# Altium PCB PCB1.PcbDoc
Units mil, origin at the board's own origin, x right, y up, seen from the top; angles counter-clockwise.
Board outline 3926.86 x 1808.97 mil, 2 copper layers (Top Layer, Bottom Layer); 89 components, 77 nets, 296 pads, 305 vias.
Unrouted connection lines stored in the file: 43.
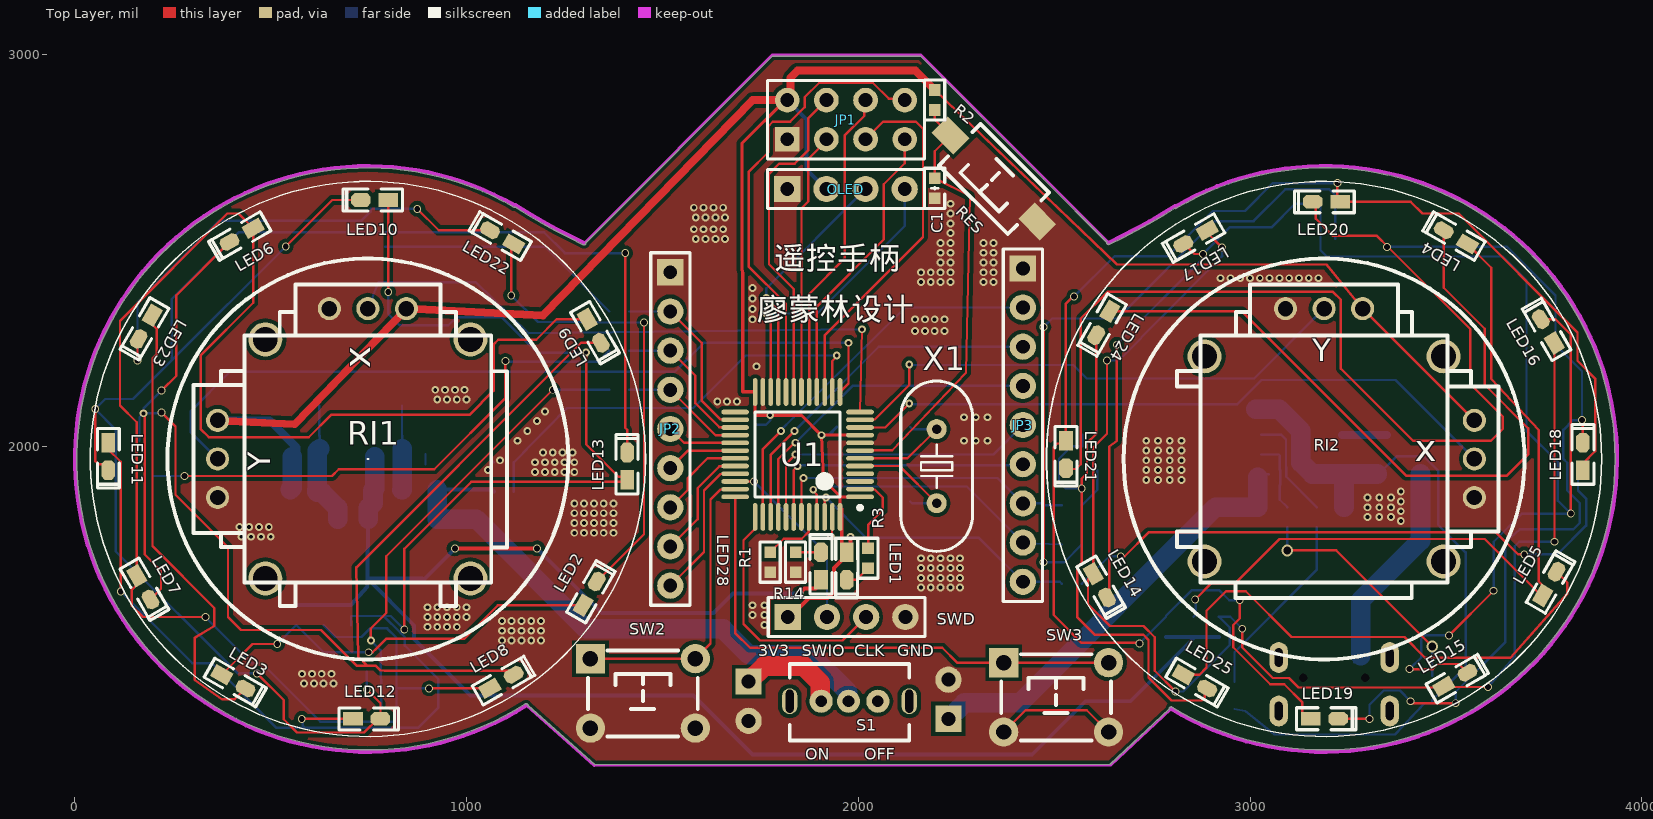
[diagram p0: Top Layer view]
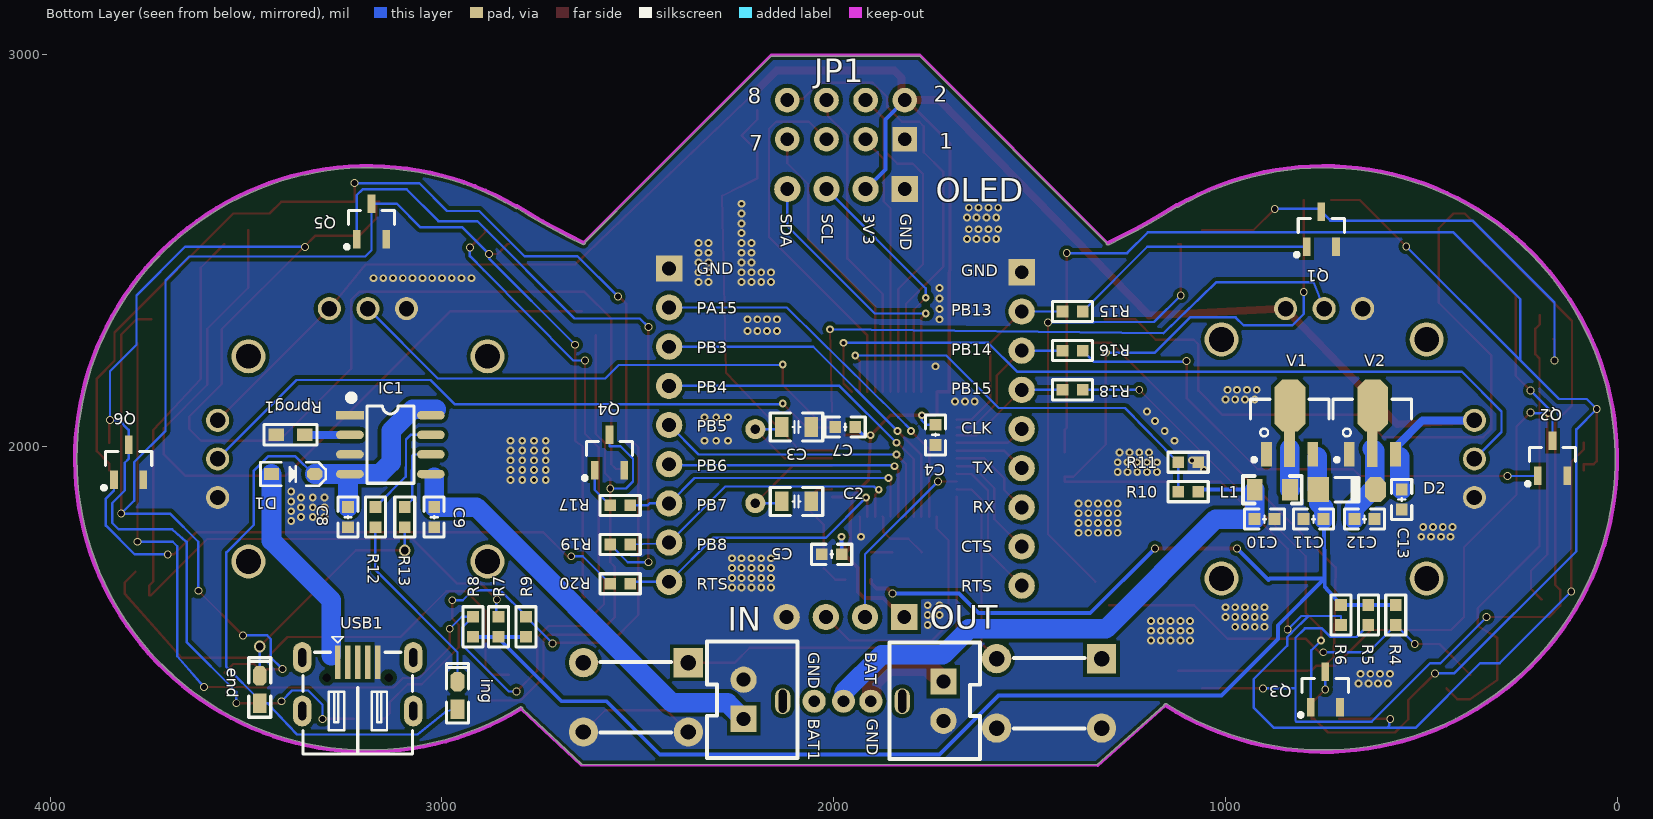
[diagram p1: Bottom Layer view, seen from below]

## Layer stack, top to bottom
Top Solder: solder mask 0.4, Solder Resist, Dk 3.5
Top Layer: signal copper 1.4
Dielectric 1: dielectric 12.6, FR-4, Dk 4.8
Bottom Layer: signal copper 1.4
Bottom Solder: solder mask 0.4, Solder Resist, Dk 3.5

## Board outline
1148.74,1342.8 cw(c1151.44,1338.58) 1155.65,1341.31 cw(c1154.37,1338.58) 1157.38,1338.65 1327.63,1188.01 2643.3,1189.27 2793.64,1329.86 cw(c2798.63,1330.4) 2801.25,1334.68 ccw(c3188.98,1968.5) 3931.99,1968.5 ccw(c3188.98,1968.5) 2811.65,2608.58 cw(c2809.1,2612.9) 2807.74,2608.07 cw(c1968.5,3937.01) 2641.13,2516.46 cw(c2638.99,2520.99) 2634.02,2521.71 2472.88,2682.86 2158.75,2996.98 1781.25,2996.98 1304.79,2520.53 cw(c1299.79,2520.15) 1304.81,2520.15 cw(c1299.79,2520.15) 1297.65,2515.62 cw(c1968.5,3937.01) 1124.95,2610.81 cw(c1123.35,2615.56) 1120.84,2611.23 ccw(c748.03,1968.5)

## Design rules (kind name [scope] priority, off if disabled: settings)
Clearance [All] p1: gap=10 ignorepadtopadclearanceinfootprint=TRUE except(0: Arc-Hole Track-Hole SMDPad-Hole THPad-Hole Via-Hole Fill-Hole Poly-Hole Region-Hole Text-Hole)
MinimumSolderMaskSliver [All] p1: minsoldermaskwidth=0
PlaneConnect [All] p1: planeconnectstyle=Direct reliefexpansion=20 reliefentries=4 reliefconductorwidth=10 reliefairgap=10
PolygonConnect [All] p1: connectstyle=Direct reliefconductorwidth=10 reliefentries=4 polygonreliefangle="90 Angle" airgapwidth=10
RoutingVias [All] p1: holewidth=15 width=20 viastyle="Through Hole" minholewidth=10 minwidth=20 maxholewidth=28 maxwidth=50
SilkToSolderMaskClearance [IsPad] p1: minsilkscreentomaskgap=0 clearancetoexposedcopper=TRUE
SolderMaskExpansion [All] p1: expansion=4 istentingtop=FALSE
Width Width_1 [InNet('+5')] p1: maxlimit=100 minlimit=10 preferedwidth=10
Width [All] p2: maxlimit=50 minlimit=6 preferedwidth=6
27 further rules are at their usual default settings.

## Components (designator, comment, footprint, x,y, rotation, side; value= is the part's Value field where it differs from the comment)
C1 "104" "C 0603_L" 2195,2659.41 r90 top locked
C2 "20pF" "C 0805_L" 2095,1860 r180 bottom locked
C3 "20pF" "C 0805_L" 2095,2050 r180 bottom locked
C4 "104" "C 0603_L" 1740,2030 r90 bottom
C5 "104" "C 0603_L" 2005,1725 r180 bottom
C7 "104" "C 0603_L" 1970.59,2050 r180 bottom
C8 "10uF" "C 0603_L" 3240,1820 r90 bottom locked
C9 "10uF" "C 0603_L" 3020,1820 r90 bottom locked
C10 "10uF" "C 0603_L" 900,1815 r0 bottom locked
C11 "10uF" "C 0603_L" 775,1815 r180 bottom locked
C12 "10uF" "C 0603_L" 645,1815 r0 bottom locked
C13 "10uF" "C 0603_L" 550,1865 r90 bottom locked
D1 "B5919WS" SOD-323 3380,1930 r180 bottom locked
D2 "1N4148" "MINI_MELF (LL34)" 690,1890 r180 bottom locked
end "绿色" "LED 0603G" 3465,1380 r90 bottom locked (schematic designator LED26)
IC1 "TP4056" SOP8_N 3131.65,2005 r180 bottom locked
IN "HDR-1X2" XH2.54-LI-2P 2230,1355 r90 bottom locked (schematic designator JP4)
ing "红色" "LED 0603R" 2960,1365 r90 bottom locked (schematic designator LED27)
JP1 "Header 4X2" HDR2.54-LI-2x4P 1968.5,2834.65 r0 top locked
JP2 "HDR-1X9" HDR2.54-LI-9P 1520,2045 r270 top locked
JP3 "HDR-1X9" HDR2.54-LI-9P 2420,2055 r270 top locked
L1 "10uH" "L 0805" 880,1890 r180 bottom locked
LED1 "红色" "LED 0603R" 1970,1695 r270 top locked
LED2 "红色" "LED 0603R" 1315,1625 r60 top
LED3 "红色" "LED 0603R" 405,1400 r330 top
LED4 "红色" "LED 0603R" 3525,2535 r150 top
LED5 "红色" "LED 0603R" 3765,1650 r60 top
LED6 "蓝色" "LED 0603B" 425,2540 r210 top
LED7 "蓝色" "LED 0603B" 175,1640 r300 top
LED8 "蓝色" "LED 0603B" 1090,1400 r30 top
LED9 "蓝色" "LED 0603B" 1325,2295 r300 top
LED10 "绿色" "LED 0603G" 765,2630 r180 top
LED11 "绿色" "LED 0603G" 85,1975 r270 top
LED12 "绿色" "LED 0603G" 745,1304.74 r0 top
LED13 "绿色" "LED 0603G" 1410,1950 r90 top
LED14 "蓝色" "LED 0603B" 2617.28,1645.19 r300 top
LED15 "蓝色" "LED 0603B" 3525,1405 r30 top
LED16 "蓝色" "LED 0603B" 3760,2295 r120 top
LED17 "蓝色" "LED 0603B" 2860,2535 r210 top
LED18 "绿色" "LED 0603G" 3850,1975 r90 top
LED19 "绿色" "LED 0603G" 3190,1305 r0 top
LED20 "绿色" "LED 0603G" 3195,2625.26 r180 top
LED21 "绿色" "LED 0603G" 2529.74,1980 r270 top
LED22 "红色" "LED 0603R" 1090,2535 r150 top
LED23 "红色" "LED 0603R" 180,2305 r240 top
LED24 "红色" "LED 0603R" 2624.74,2315 r240 top
LED25 "红色" "LED 0603R" 2860,1400 r330 top
LED28 "绿色" "LED 0603G" 1905,1695 r90 top
OLED "HDR-1X4" HDR2.54-M-LI-4P 1968.5,2657.48 r0 top locked (schematic designator JP7)
OUT "HDR-1X2" XH2.54-LI-2P 1720,1350 r270 bottom locked (schematic designator JP5)
Q1 "SS8050" SOT23-3N 755,2555 r180 bottom
Q2 "SS8050" SOT23-3N 165,1970 r180 bottom
Q3 "SS8050" SOT23-3N 745,1380 r180 bottom
Q4 "SS8050" SOT23-3N 2572.4,1985 r180 bottom
Q5 "SS8050" SOT23-3N 3180,2575 r180 bottom
Q6 "SS8050" SOT23-3N 3800,1960 r180 bottom
R1 "10K" "R 0603_L" 1775,1705 r90 top
R2 "1K" "R 0603_L" 2195,2885 r90 top locked
R3 "1K" "R 0603_L" 2025,1715 r90 top locked
R4 "100R" "R 0603_L" 565,1570 r90 bottom
R5 "500R" "R 0603_L" 635,1570 r90 bottom
R6 "500R" "R 0603_L" 705,1570 r90 bottom
R7 "100R" "R 0603_L" 2855.59,1540 r270 bottom
R8 "500R" "R 0603_L" 2920.59,1540 r270 bottom
R9 "500R" "R 0603_L" 2785.59,1540 r270 bottom
R10 "100K" "R 0603_L" 1095,1885 r180 bottom locked
R11 "100K" "R 0603_L" 1095,1960 r0 bottom locked
R12 "1K" "R 0603_L" 3170,1820 r270 bottom locked
R13 "1K" "R 0603_L" 3095,1820 r90 bottom locked
R14 "1K" "R 0603_L" 1840,1705 r90 top
R15 "1K" "R 0603_L" 1390,2345 r0 bottom
R16 "1K" "R 0603_L" 1390,2245 r0 bottom
R17 "1K" "R 0603_L" 2545,1850 r180 bottom
R18 "1K" "R 0603_L" 1390,2145 r0 bottom
R19 "1K" "R 0603_L" 2545,1750 r180 bottom
R20 "1K" "R 0603_L" 2545,1650 r180 bottom
RES "3x6x5" "TSW SMD-3*6*2.5" 2345,2685 r135 top locked (schematic designator SW1)
RI1 "10K" ROC16 748.03,1968.5 r90 top locked
RI2 "10K" ROC16 3188.98,1968.5 r0 top locked
Rprog1 "2K/600mA" "R 0603_M" 3386.5,2030 r180 bottom locked
S1 "SW-SPDT" SWITCH_PWR 1825,1350 r90 top locked
SW2 "6x6x5" "TSW DIP-6*6*6" 1450,1370 r0 top
SW3 "6x6x5" "TSW DIP-6*6*6" 2505,1360 r0 top locked
SWD "HDR-1X4" HDR2.54-LI-4P 1970,1565 r0 top locked (schematic designator JP6)
U1 "STM32F050C6T6" LQFP48_N 1845,1980 r180 top locked
USB1 "USB-5P" USB-MICRO_D 3215,1325 r180 bottom locked
V1 "HT7750SA" SOT89_M 836,2061 r180 bottom locked
V2 "HT7833" SOT89_M 625,2061 r180 bottom locked
X1 "8MHz" "OSC HC-49S" 2200,1950 r270 top locked

## Footprints (in the part's own frame and the unit in brackets; to place one, negate y for a bottom-side part, rotate by r counter-clockwise, add the part's x,y. Pads: shape width x height; smd on the part's side, far side on the other; paste and mask are expansions set on the pad)
"C 0603_L" [mil] "无极性贴片电容                                       淘宝ID:黄晶宝石"
  rect 30x30 smd: 1(-25.59,0) 2(25.59,0)
  silkscreen extent -51,-26 51,26, body extent -31,-16 31,16, height 32
"C 0805_L" [mil] "无极性贴片电容                                        淘宝ID:黄晶宝石"
  rect 35x50 smd: 1(-37.4,0) 2(37.4,0)
  silkscreen extent -67,-36 67,36, body extent -39,-24 39,24, height 20
HDR2.54-LI-2x4P [mm] "双排排针，4x2脚 淘宝ID:黄晶宝石   店铺网址:https://shop463601444.taobao.com"
  rect 1.6x1.6 hole 0.9: 1(-3.81,-1.27)
  round 1.6 hole 0.9: 2(-3.81,1.27) 3(-1.27,-1.27) 4(-1.27,1.27) 5(1.27,-1.27) 6(1.27,1.27) 7(3.81,-1.27) 8(3.81,1.27)
  silkscreen extent -5.08,-2.54 5.08,2.54, body extent -5.08,-2.54 5.08,2.54, height 8.5
HDR2.54-LI-4P [mm] "排针，4脚"
  rect 1.7x1.7 hole 0.9: 1(-3.81,0)
  round 1.7 hole 0.9: 2(-1.27,0) 3(1.27,0) 4(3.81,0)
  silkscreen extent -5.08,-1.27 5.08,1.27, body extent -5.08,-1.27 5.08,1.27, height 8.5
HDR2.54-LI-9P [mm] "排针，9脚"
  rect 1.7x1.7 hole 0.9: 1(-10.16,0)
  round 1.7 hole 0.9: 2(-7.62,0) 3(-5.08,0) 4(-2.54,0) 5(0,0) 6(2.54,0) 7(5.08,0) 8(7.62,0) 9(10.16,0)
  silkscreen extent -11.43,-1.27 11.43,1.27, body extent -11.43,-1.27 11.43,1.27, height 8.5
HDR2.54-M-LI-4P [mm] "排母，4脚  淘宝ID:黄晶宝石   店铺网址:https://shop463601444.taobao.com"
  rect 1.7x1.7 hole 0.9: 1(-3.81,0)
  round 1.7 hole 0.9: 2(-1.27,0) 3(1.27,0) 4(3.81,0)
  silkscreen extent -5.08,-1.27 5.08,1.27, body extent -5.08,-1.27 5.08,1.27, height 8.5
"L 0805" [mil] "小功率贴片电感        淘宝ID:黄晶宝石"
  rect 40x55 smd: 1(-45,0) 2(45,0)
  silkscreen extent -75,-35 75,35, body extent -39,-24 39,24, height 35
"LED 0603B" [mil] "蓝色0603LED                             淘宝ID:黄晶宝石"
  rect 50x35 smd: 1(-34.99,0.26)
  oct 50x35 smd: 2(35,0.26)
  silkscreen extent -71,-28 81,28, body extent -31,-16 32,16, height 24
"LED 0603G" [mil] "绿色0603LED                                   淘宝ID:黄晶宝石"
  rect 50x35 smd: 1(-35,0.26)
  oct 50x35 smd: 2(35,0.26)
  silkscreen extent -71,-28 81,28, body extent -31,-16 31,16, height 24
"LED 0603R" [mil] "红色0603LED                                           淘宝ID:黄晶宝石"
  rect 50x35 smd: 1(-35,0.26)
  oct 50x35 smd: 2(35,0.26)
  silkscreen extent -71,-28 81,28, body extent -31,-16 31,16, height 24
LQFP48_N [mm] "Thin QFP, 48-Leads, Body 7x7mm, Pitch 0.5mm, IPC Medium Density"
  oval 1.8x0.3 smd: 1(-4.05,2.75) 2(-4.05,2.25) 3(-4.05,1.75) 4(-4.05,1.25) 5(-4.05,0.75) 6(-4.05,0.25) 7(-4.05,-0.25) 8(-4.05,-0.75) 9(-4.05,-1.25) 10(-4.05,-1.75) 11(-4.05,-2.25) 12(-4.05,-2.75) 25(4.05,-2.75) 26(4.05,-2.25) 27(4.05,-1.75) 28(4.05,-1.25) 29(4.05,-0.75) 30(4.05,-0.25) 31(4.05,0.25) 32(4.05,0.75) 33(4.05,1.25) 34(4.05,1.75) 35(4.05,2.25) 36(4.05,2.75)
  oval 0.3x1.8 smd: 13(-2.75,-4.05) 14(-2.25,-4.05) 15(-1.75,-4.05) 16(-1.25,-4.05) 17(-0.75,-4.05) 18(-0.25,-4.05) 19(0.25,-4.05) 20(0.75,-4.05) 21(1.25,-4.05) 22(1.75,-4.05) 23(2.25,-4.05) 24(2.75,-4.05) 37(2.75,4.05) 38(2.25,4.05) 39(1.75,4.05) 40(1.25,4.05) 41(0.75,4.05) 42(0.25,4.05) 43(-0.25,4.05) 44(-0.75,4.05) 45(-1.25,4.05) 46(-1.75,4.05) 47(-2.25,4.05) 48(-2.75,4.05)
  silkscreen extent -4.18,-2.75 2.75,3.57, body extent -3.5,-3.5 3.5,3.5, height 1.6
"MINI_MELF (LL34)" [mm] "1.5*3.4mm(直径，脚距）"
  rect 1.37x1.62 smd: 1(-1.855,0)
  oct 1.37x1.62 smd: 2(1.855,0)
  silkscreen extent -0.76,-0.8 0.78,0.8, body extent -1.7,-0.75 1.7,0.75, height 1.5
"OSC HC-49S" [mm] "封装库来自淘宝卖家 ID：黄晶宝石"
  round 1.3 hole 0.6: 1(-2.4,0) 2(2.4,0)
  silkscreen extent -5.52,-2.32 5.52,2.33, body extent -5.52,-2.32 5.53,2.33, height 4.13
"R 0603_L" [mil] "1/10W贴片电阻                 淘宝ID:黄晶宝石"
  rect 30x30 smd: 1(-25.59,0) 2(25.59,0)
  silkscreen extent -51,-26 51,26, body extent -31,-16 32,16, height 16
"R 0603_M" [mil] "1/10W贴片电阻                             淘宝ID:黄晶宝石"
  rect 40x31.5 smd: 1(-36.5,0) 2(36.5,0)
  silkscreen extent -68,-26 68,26, body extent -31,-16 31,16, height 16
ROC16 [mm] "摇杆电位器，长16mm，宽16mm，高12.2mm                淘宝ID:黄晶宝石"
  round 2.2 hole 1.6: 0(-7.75,-6.65) 0(-7.75,6.65) 0(7.75,-6.65) 0(7.75,6.65)
  round 1.5 hole 1: 1(9.75,-2.5) 2(9.75,0) 3(9.75,2.5) 4(2.5,9.75) 5(0,9.75) 6(-2.5,9.75)
  silkscreen extent -13,-13 13,13, body extent -12.5,-12.5 12.5,12.5, height 29.36
SOD-323 [mm] "1.8x1.3X0.9mm（长宽高，不包括引脚）"
  rect 1x0.8 smd: 1(-1.4,0)
  oct 1x0.8 smd: 2(1.4,0)
  silkscreen extent -2.11,-0.76 2.11,0.76, body extent -1.34,-0.63 1.31,0.67, height 1
SOP8_N [mm] "5*6*1.8mm（长宽高）封装库来自淘宝卖家 ID：黄晶宝石"
  rect 1.8x0.55 smd: 1(-2.625,1.905)
  oval 1.8x0.55 smd: 2(-2.625,0.635) 3(-2.625,-0.635) 4(-2.625,-1.905) 5(2.625,-1.905) 6(2.625,-0.635) 7(2.625,0.635) 8(2.625,1.905)
  silkscreen extent -2.69,-2.5 1.52,3.2, body extent -3,-2.5 3,2.5, height 1.9
SOT23-3N [mm] "3x1.3x1mm(长宽高)    封装库来自淘宝卖家 ID：黄晶宝石"
  rect 0.5x1.2 smd: 1(-0.95,-1.143) 2(0.95,-1.143) 3(0,1.143)
  silkscreen extent -1.73,-1.78 1.5,0.7, body extent -1.5,-1.2 1.5,1.2, height 1.05
SOT89_M [mm] "4.6x4.3x1.6mm(长宽高) 封装库来自淘宝卖家 ID：黄晶宝石"
  rect 0.7x1.6 smd: 1(-1.5,-2.054) 3(1.5,-2.054)
  rect 0.7x2.4 smd: 2(0,-1.676)
  oct 2x3.4 smd: 2(0.025,1.118)
  silkscreen extent -2.54,-2.52 2.54,1.52, body extent -2.3,-2.4 2.3,1.9, height 1.6
SWITCH_PWR [mm]
  round 1.5 hole 0.75: 1(0,-2.032) 2(0,-3.81) 3(0,-5.715)
  oval 1.676x1 hole 0.5 slot 1.5 at 0 deg: ""(0,0) ""(0,-7.747)
  silkscreen extent -2.54,-7.75 2.41,0, body extent -1.85,-8.06 1.85,0.44, height 6.5
"TSW DIP-6*6*6" [mm] "6*6*6mm"
  rect 1.9x1.9 hole 1: 1(-3.4,2.25)
  round 1.9 hole 1: 2(-3.4,-2.25) 3(3.4,-2.25) 4(3.4,2.25)
  silkscreen extent -3.56,-2.79 3.56,2.79, body extent -4.11,-3 4.11,3, height 5.95
"TSW SMD-3*6*2.5" [mm] "3*6*2.5mm"
  rect 2x1.5 smd: 1(-3.996,-0.02) 2(3.937,0)
  silkscreen extent -3.21,-1.9 3.09,1.9, body extent -4,-1.88 4,1.62, height 2.59
USB-MICRO_D [mm] "micro型USB ，6.7*7.5*2.5mm"
  oval 1.2x2 hole 0.5 slot 1.2 at 90 deg: 0(-3.6,0) 0(-3.6,3.47) 0(3.6,0) 0(3.6,3.47)
  round 0 hole 0.55 unplated: 0(-2,2.17) 0(2,2.17)
  rect 0.381x2.15 smd: 1(-1.3,3.16) 2(-0.65,3.16) 3(0,3.16) 4(0.65,3.16) 5(1.3,3.16)
  silkscreen extent -3.56,-2.79 3.56,4.81, body extent -3.99,-2.75 3.99,3.95, height 2.79
XH2.54-LI-2P [mm] "接插件，2P  淘宝ID:黄晶宝石   店铺网址:https://shop463601444.taobao.com"
  rect 1.7x1.7 hole 0.9: 1(-1.27,0)
  round 1.7 hole 0.9: 2(1.27,0)
  silkscreen extent -3.81,-3.51 3.74,2.37, body extent -3.77,-3.3 3.77,2.4, height 7.05

## Part data
C1 C2 C3 C4 C5 C7 C8 C9 C10 C11 C12 C13: library part C, "贴片电容", BOM名称=无极性贴片电容, 联系售后=https://shop463601444.taobao.com, 淘宝ID="封装库来自淘宝 ID：黄晶宝石"
D1: library part 1N5819, "肖特基二极管", BOM名称=肖特基二极管, 欢迎光临=https://shop463601444.taobao.com, 属性=40V/2A, 淘宝ID="封装库来自淘宝 ID：黄晶宝石"
D2: "开关二极管", BOM名称=高速开关二极管, 欢迎光临=https://shop463601444.taobao.com, 淘宝ID="封装库来自淘宝 ID：黄晶宝石"
end ing LED1 LED2 LED3 LED4 LED5 LED6 LED7 LED8 LED9 LED10 LED11 LED12 LED13 LED14 LED15 LED16 LED17 LED18 LED19 LED20 LED21 LED22 LED23 LED24 LED25 LED28: library part LED-SMD, "贴片LED", BOM名称=贴片LED, 版权归属="封装库来自淘宝 ID：黄晶宝石", 学习资源=https://shop463601444.taobao.com
IC1: "锂电池充电管理", BOM名称=锂电池充电管理, 淘宝ID="封装库来自淘宝 ID：黄晶宝石", 学习资源=https://shop463601444.taobao.com
IN OUT: library part "Header 2", "2P接插件", BOM名称=2P接插件, 版权归属="封装库来自淘宝 ID：黄晶宝石", 联系售后=https://shop463601444.taobao.com
JP1: "4*2P接插件", BOM名称=4*2P接插件, 版权归属="封装库来自淘宝 ID：黄晶宝石", 学习资源=https://shop463601444.taobao.com
JP2 JP3: library part "Header 9", "9P接插件", BOM名称=9P接插件, 版权归属=源创客, 学习资源=www.ooocke.com
L1: library part L, "小功率贴片电感", BOM名称=小功率贴片电感, 联系售后=https://shop463601444.taobao.com, 淘宝ID="封装库来自淘宝 ID：黄晶宝石"
OLED SWD: library part "Header 4", "4P接插件", BOM名称=4P接插件, 版权归属="封装库来自淘宝 ID：黄晶宝石", 学习资源=https://shop463601444.taobao.com
Q1 Q2 Q3 Q4 Q5 Q6: library part 8050-SMD, "高频放大-NPN型", BOM名称=高频放大-NPN型, 版权归属="封装库来自淘宝 ID：黄晶宝石", 联系售后=https://shop463601444.taobao.com, 属性="40V 1.5A 1W 100MHZ"
R1 R2 R3 R4 R5 R6 R7 R8 R9 R10 R11 R12 R13 R14 R15 R16 R17 R18 R19 R20 Rprog1: library part R, "贴片电阻", BOM名称=贴片电阻, 版权归属="来自淘宝 ID：黄晶宝石", 联系售后=https://shop463601444.taobao.com
RES: library part "TSW 3x6", "3x6轻触开关", BOM名称=3x6轻触开关, 版权归属="封装库来自淘宝 ID：黄晶宝石", 学习资源=www.ooocke.com
RI1 RI2: library part ROC16B, "摇杆电位器", BOM名称=摇杆电位器, 版权归属="封装库来自淘宝 ID：黄晶宝石", 学习资源=https://shop463601444.taobao.com
S1: "SPDT Subminiature Toggle Switch, Right Angle Mounting, Vertical Actuation", PackageReference=SWITCH_PWR, Published=10-August-2017, Publisher=mazhongwei
SW2 SW3: library part "TSW DIP-6x6", "直插6x6轻触开关", BOM名称=直插6x6轻触开关, 版权归属="封装库来自淘宝 ID：黄晶宝石", 学习资源=https://shop463601444.taobao.com
U1: "ARM Cortex-M0 32-bit RISC core (48 MHz max), 32kB Flash, 4 kB Internal RAM, 39 High Current I/Os, -40 to +85癈, 48-Pin LQFP, Tray", Supply Current(Icc) (Lowest power mode) typ (礎)=1.65, Supply Current(Icc) (Run mode (per Mhz)) typ (礎)=250, 16-bit timers (IC/OC/PWM)=5x16-bit, 32-bit timer (IC/OC/PWM)=1x32-bit, A/D Converter=10x12-bit, ComponentLink1Description="Manufacturer URL", ComponentLink1URL=https://shop463601444.taobao.com, ComponentLink2Description=Datasheet, ComponentLink2URL=http://www.st.com/internet/com/TECHNICAL_RESOURCES/TECHNICAL_LITERATURE/DATA_BRIEF/DM00047078.pdf, ComponentLink3Description="STM32F0 Web Page", ComponentLink3URL=http://www.st.com/internet/mcu/subclass/1588.jsp, DatasheetVersion="rev2, Feb-2012", Other timer functions="2 x WDG, RTC, 24-bit down counter", PackageDescription="48-Pin Low-Profile Quad Flat Pack, 7 x 7 mm Body, 0.5 mm Pitch (LQFP48)", PackageReference=LQFP48, PackageVersion="rev13, Apr-2011", Serial Interface="1xSPI;1xI2S;1xI2C;1xUSART(IrDA, ISO 7816)"
USB1: "微型USB母座", BOM名称=微型USB母座, 学习资源=https://shop463601444.taobao.com
V1 V2: library part HT71xx, "LDO线性稳压芯片", BOM名称=LDO线性稳压芯片, 版权归属="封装库来自淘宝 ID：黄晶宝石", 学习资源=https://shop463601444.taobao.com
X1: library part XTAL-2P, "2脚无源脚晶振", BOM名称=2脚无源脚晶振, 版权归属=源创客, 学习资源=www.ooocke.com

## Via types
v1: diameter 20, hole 10, Top Layer to Bottom Layer, tented both sides, 250 vias
v2: diameter 20, hole 15, Top Layer to Bottom Layer, 53 vias
v3: diameter 30, hole 20, Top Layer to Bottom Layer, tented both sides, 2 vias

## Nets (pads, with @x,y where several pads share a name; then routed paths per layer and width w, separated by ;. In a path a pad name is that pad's centre, name@x,y a point inside that pad or via, vN(x,y) a via of type N, cw(c..) or ccw(c..) an arc to the next point about the centre after c; other vN are vias at no path point)
+5: C11.2 D2.1 LED28.1 R4.2 R5.2 R6.2 R7.2 R8.2 R9.2 V1.3 | length 4439.2
  Top Layer w10: v2(970,1740) v2(1180,1740) ; v2(1850,1625) 1863,1638 1890.24,1638 1904.74,1652.5 LED28.1
  Bottom Layer w10: R4.2 R5.2 R6.2 746.41,1642 746.6,1663.4 ; C11.2 747.91,1816 747.9,1815.01 746.6,1663.4 ; V1.3@765.72,1973.63 776.94,1973.63 V1.3 ; v2(970,1740) 890,1660 886.6,1663.4 746.6,1663.4 ; v2(1180,1740) 1345,1575 1630.61,1575 1680.61,1625 v2(1850,1625) ; R9.2 R7.2 ; R8.2 2920.18,1514 2856,1514 R7.2 ; 746.6,1663.4 866,1544 866,1509 1010,1365 1579.39,1365 1730.37,1214.02 2444.02,1214.02 2580,1350 2695,1350 2855,1510 R7.2
  Bottom Layer w50: C11.2 749.41,1843.31 761.06,1854.96 761.06,1888.03 D2.1 765,1891.97 765,1972.91 V1.3@765.72,1973.63
ADC0: RI2.2 U1.10 | length 1703.2
  Top Layer w6: U1.10 2068.9,2048.9 v1(2130,2110)
  Bottom Layer w6: v1(2130,2110) 2131.46,2108.54 2967.78,2108.54 3029.24,2170 3371.34,2170 RI2.2
ADC1: RI2.5 U1.11 | length 1362.6
  Top Layer w6: U1.11 2005.23,2069.36 2041.81,2069.36 2130,2157.55 v1(2130,2210)
  Bottom Layer w6: v1(2130,2210) 2131.46,2208.54 2548.5,2208.54 2583.02,2174.01 3010.62,2174.01 RI2.5
ADC2: RI1.2 U1.12 | length 1571.2
  Top Layer w6: U1.12 v1(2009.45,2299.45)
  Bottom Layer w6: RI1.2 775,2420 1022.55,2420 1158.11,2289.45 v1(2009.45,2299.45)
ADC3: RI1.5 U1.13 | length 2037.2
  Top Layer w6: U1.13 1975,2161.18 v1(1975,2265)
  Bottom Layer w6: RI1.5 295,2037.68 295,2090 396.46,2191.46 1532.18,2191.46 1605.71,2265 v1(1975,2265)
ADC4: R10.1 R11.2 U1.14 | length 1110.9
  Top Layer w6: U1.14 1933.58,2218.58 1945,2230 v1(1945,2232.5)
  Bottom Layer w6: R10.1 R11.2 1256.46,2098.54 1578.54,2098.54 1712.5,2232.5 v1(1945,2232.5)
BAT: OUT.1 S1.1 | length 265.2
  Top Layer w50: OUT.1 1760,1440 1860,1440 1903.27,1396.73 1903.27,1351.73 S1.1
BAT1: C9.2 IC1.5 IN.1 | length 1141.7
  Bottom Layer w6: IC1.5@3020,1921.69 3027.31,1929 3048,1929 3048,1930 IC1.5
  Bottom Layer w50: IN.1 2271.05,1346.05 2412.47,1346.05 2912.01,1845.59 C9.2 IC1.5@3020,1921.69
CE: JP1.3 U1.18 | length 671.6
  Top Layer w6: U1.18 1854.84,2608.51 1872.04,2625.7 1872.04,2734.18 1918.5,2780.64 JP1.3
CS: JP1.4 U1.19 | length 855.2
  Top Layer w6: U1.19 1835.16,2402.44 1772.04,2465.55 1772.04,2696.33 1797.76,2722.05 1837.28,2722.05 1872.44,2757.21 1872.44,2838.58 JP1.4
GND: C1.1 C2.2 C3.2 C4.1 C5.1 C7.1 C8.1 C9.1 C10.1 C11.1 C12.1 C13.1 IC1.1 IC1.3 IN.2 JP1.1 JP2.1 JP3.1 OLED.1 OUT.2 Q1.2 Q2.2 Q3.2 Q4.2 Q5.2 Q6.2 R1.1 R11.1 R14.1 RES.1 RI1.3 RI1.6 RI2.1 RI2.6 Rprog1.1 SW2.2 SW2.3 SW3.2 SW3.3 SWD.4 U1.8 U1.23 U1.47 USB1.5 V1.1 V2.1 | length 392.3
  Top Layer w6: v1(1930,1770) 1932.68,1772.68 1932.68,1783.07 1932.8,1783.19 1932.8,1819.77 U1.47 ; SW3.2 2426.72,1327 2583.28,1327 SW3.3
  Bottom Layer w6: V1.1@895.06,1955 V1.1 ; R11.1@1068.41,1961 R11.1
  other v1: 585,1395 610,1395 635,1395 660,1395 580,1420 605,1420 630,1420 655,1420 1090,1505 1115,1505 1140,1505 1165,1505 1190,1505 1090,1530 1115,1530 1140,1530 1165,1530 1190,1530 900,1540 925,1540 950,1540 975,1540 1760,1545 1090,1555 1115,1555 1140,1555 1165,1555 1190,1555 900,1565 925,1565 950,1565 975,1565 1000,1565 1730,1570 1760,1570 900,1590 925,1590 950,1590 975,1590 1000,1590 1730,1595 1760,1595 2160,1640 2185,1640 2210,1640 2235,1640 2260,1640 2160,1665 2185,1665 2210,1665 2235,1665 2260,1665 2160,1690 2185,1690 2210,1690 2235,1690 2260,1690 2160,1715 2185,1715 2210,1715 2235,1715 2260,1715 425,1770 450,1770 475,1770 500,1770 1275,1780 1300,1780 1325,1780 1350,1780 1375,1780 420,1795 445,1795 470,1795 495,1795 1275,1805 1300,1805 1325,1805 1350,1805 1375,1805 3385,1810 3300,1820 3330,1820 3360,1820 1275,1830 1300,1830 1325,1830 1350,1830 1375,1830 3385,1835 3300,1845 3330,1845 3360,1845 1275,1855 1300,1855 1325,1855 1350,1855 1375,1855 3385,1860 3300,1870 3330,1870 3360,1870 3385,1885 2735,1915 2765,1915 2795,1915 2825,1915 1175,1935 1200,1935 1225,1935 1250,1935 1275,1935 1055,1940 2735,1940 2765,1940 2795,1940 2825,1940 1175,1960 1200,1960 1225,1960 1250,1960 1275,1960 1085,1965 2735,1965 2765,1965 2795,1965 2825,1965 1195,1985 1220,1985 1245,1985 1270,1985 2735,1990 2765,1990 2795,1990 2825,1990 1130,2015 2270,2015 2300,2015 2330,2015 2735,2015 2765,2015 2795,2015 2825,2015 1155,2040 1180,2065 2270,2075 2300,2075 2330,2075 1200,2090 1640,2115 1665,2115 1690,2115 925,2120 950,2120 975,2120 1000,2120 920,2145 945,2145 970,2145 995,2145 1740,2205 2145,2295 2170,2295 2195,2295 2220,2295 1730,2325 2145,2325 2170,2325 2195,2325 2220,2325 1730,2351.67 1730,2378.33 1730,2405 2160,2420 2185,2420 2210,2420 2235,2420 2320,2420 2345,2420 2925,2430 2950,2430 2975,2430 3000,2430 3025,2430 3050,2430 3075,2430 3100,2430 3125,2430 3150,2430 3175,2430 2160,2445 2185,2445 2210,2445 2235,2445 2320,2445 2345,2445 2210,2470 2235,2470 2320,2470 2345,2470 2210,2495 2235,2495 2320,2495 2345,2495 2210,2520 2235,2520 2320,2520 2345,2520 1585,2530 1610,2530 1635,2530 1660,2530 2235,2545 1580,2555 1605,2555 1630,2555 1655,2555 2235,2570 1585,2585 1610,2585 1635,2585 1660,2585 2235,2595 1580,2610 1605,2610 1630,2610 1655,2610 2235,2620
I2C1_SCL: OLED.3 U1.21 | length 635.8
  Top Layer w6: v1(1765,2380) 1795.79,2349.21 U1.21
  Bottom Layer w6: v1(1765,2380) 1765,2403.98 OLED.3
I2C1_SDA: OLED.4 U1.22 | length 745.2
  Top Layer w6: v1(1765,2340) 1765,2339.22 1776.1,2328.12 U1.22
  Bottom Layer w6: v1(1765,2340) 1895,2340 2118.5,2563.5 OLED.4
IRQ: JP1.8 U1.20 | length 1166.6
  Top Layer w6: U1.20 1815.47,2364.53 1720,2460 1720,2701.26 1770,2751.26 1770,2817.52 1781.62,2829.14 1825.93,2829.14 1863,2866.21 1863,2892.07 1900.07,2929.14 2036.93,2929.14 2078.01,2888.07 2115.08,2888.07 JP1.8
NetC1_2: C1.2 R2.1 RES.2 U1.7 | length 1115.8
  Top Layer w6: U1.7 2005.23,1990.62 2086.81,1990.62 2275,2188.81 2285,2640 C1.2 2195,2754.2 RES.2 2195,2835 R2.1
NetC2_1: C2.1 U1.5 X1.2 | length 304.3
  Top Layer w6: U1.5 2105.04,1950.47 X1.2
  Bottom Layer w6: C2.1 2136.89,1855.51 X1.2
NetC3_1: C3.1 U1.6 X1.1 | length 296.2
  Top Layer w6: U1.6 2125.67,1970.16 X1.1
  Bottom Layer w6: C3.1 2137.91,2044.49 X1.1
NetC8_2: C8.2 D1.2 end.1 IC1.4 IC1.8 ing.1 | length 1953.5
  Bottom Layer w6: ing.1 2987.38,1325 3062.38,1265 3370,1265 3445,1345 end.1 ; 3015,2095 3015,2080 IC1.8 ; D1.2 3328.82,1930 3373.82,1975 3443.94,1975 3480.09,1938.84 3480.09,1800.32 3550.4,1730.02 3550.4,1437.65 3465.26,1352.5 end.1 ; end.1@3470.26,1345 end.1
  Bottom Layer w50: 3015,2095 3075,2095 3130,2040 3130,1959.29 3159.29,1930 IC1.4 ; C8.2 3240,1925 IC1.4 ; D1.2 IC1.4
NetC12_2: C12.2 D2.2 V2.2 | length 323.5
  Bottom Layer w6: V2.2@624,2105 624,2028 625,2028 V2.2@625,1995
  Bottom Layer w50: V2.2@625,1995 618.94,1988.94 618.94,1891.97 D2.2 616.97,1885.08 618.94,1883.11 630.8,1883.11 670.59,1843.32 C12.2
NetIC1_2: IC1.2 Rprog1.2 | length 115
  Bottom Layer w20: IC1.2 Rprog1.2
NetIC1_6: IC1.6 R13.2 | length 188.5
  Bottom Layer w6: IC1.6 3072.49,1980 3076,1976.49 3076,1940.61 3076.74,1939.87 3076.74,1902.6 3076,1901.86 3076,1864.58 R13.2
NetIC1_7: IC1.7 R12.1 | length 273.4
  Bottom Layer w6: IC1.7 3080,2030 3092,2018 3092,1947.24 3092.74,1946.5 3092.74,1922.86 R12.1
NetL1_2: L1.2 V1.2 | length 216.4
  Bottom Layer w6: V1.2@835,2105 835,2028 836,2028 V1.2@836,1995
  Bottom Layer w50: L1.2 835.5,1890.5 835.5,1994.5 V1.2@836,1995
NetLED1_2: LED1.2 R3.1 | length 66.9
  Top Layer w6: LED1.2 1995.59,1660 R3.1
NetLED2_1: LED2.1 LED3.1 R4.1 | length 1053.3
  Top Layer w6: LED3.1 453.1,1496 v2(516.59,1496) ; v2(750,1475) 760,1475 770,1485 794.16,1509.16 994.16,1509.16 1079.82,1594.82 LED2.1
  Bottom Layer w6: v2(516.59,1496) R4.1 634.4,1475 v2(750,1475)
NetLED2_2: LED2.2 LED22.1 | length 1216.6
  Top Layer w6: v2(1114,2386) 1114,2517.28 LED22.1 ; LED2.2 1453,1776.17 v2(1453,2317)
  Bottom Layer w6: v2(1114,2386) 1182,2318 1335,2318 1336,2317 v2(1453,2317)
NetLED3_2: LED3.2 LED23.1 | length 1190.2
  Top Layer w6: LED23.1 197.72,2311.68 208.92,2300.47 208.92,2236.2 198,2225.28 198,1746 356,1588 356,1542 306,1512 306,1404.72 375.72,1355 407.72,1355 LED3.2
NetLED4_1: LED4.1 LED5.1 R7.1 | length 2032.1
  Top Layer w6: v2(2860,1610) 2900.38,1650.38 2961.38,1650.38 3075,1764 3599.35,1764 3743.53,1619.82 LED5.1 3747.28,1645.61 3737.28,1655.61 3737.28,2041.54 3616,2172.82 3616,2456.46 LED4.1
  Bottom Layer w6: R7.1 2861,1571 2861,1609 v2(2860,1610)
NetLED4_2: LED4.2 LED24.1 | length 1925.1
  Top Layer w6: LED24.1 2979.18,2345.18 3398.39,1925.98 3655.98,1925.98 3710,1980 3710,2046.82 3599,2157.82 3599,2301 3494.56,2405.44 LED4.2
NetLED5_2: LED5.2 LED25.1 | length 1364.4
  Top Layer w6: LED25.1 2870.72,1417.72 2889,1436 2889,1580.78 2939.02,1630.8 2989.2,1630.8 3106,1514 3394,1514 3447,1461 3665.08,1461 3810,1625 3810,1652.72 LED5.2
NetLED6_1: LED6.1 LED7.1 LED8.1 LED9.1 R5.1 | length 4444.8
  Top Layer w6: v2(333,1565) 173.72,1565 145,1593.72 145,1634.21 157.72,1646.93 LED7.1 157.72,2062.28 115,2105 115,2321 389,2595 417.71,2595 LED6.1 455.43,2367.43 321,2233 321,2045 342,2024 597,2024 654,2081 1007,2081 1069,2143 1069,2261 1080.93,2272.93 1177.8,2272.93 1230.31,2325.43 LED9.1 ; v2(904.25,1382.72) LED8.1
  Bottom Layer w6: v2(333,1565) 451.03,1446.97 477.6,1446.97 626.58,1298 819,1298 821,1300 821,1382.99 ; R5.1 665.4,1514 731.47,1514 753.47,1536 797,1536 821,1512 821,1382.99 ; v2(904.25,1382.72) 903.99,1382.99 821,1382.99
NetLED6_2: LED6.2 LED7.2 LED8.2 LED9.2 Q2.3 | length 3655
  Top Layer w6: v1@178,2083 178,1725 220,1683 220,1637.09 LED7.2 ; v2(221,2087) 257,2051 257,1877 391,1743 391,1565 424,1532 628,1532 719,1441 746,1441 ; v2(221,2143) 259,2181 259,2386.46 LED6.2 ; LED8.2@1120.19,1427.72 790.41,1427.72 779.84,1428.29 767.14,1441 746,1441 ; LED9.2 1342.72,2265 1292,2265 1248.72,2221.72 1243.72,2216.72 718.6,1691.6 723.6,1463.4 746,1441
  Bottom Layer w6: Q2.3 165,2075 v1(175,2085) ; v1@178,2083 176,2085 v1(175,2085) ; v2(221,2087) 219,2085 v1(175,2085) ; v2(221,2143) 175,2097 v1(175,2085)
NetLED10_1: LED10.1 LED11.1 LED12.1 LED13.1 R6.1 | length 4078
  Top Layer w6: LED11.1 85.26,1993 117,1961.26 v2(117,1630) ; v2(579,1305) LED12.1 ; v2(800,2395) 800,2425 LED10.1 ; v2(841,1533) 841,1739 1012,1910 1409.74,1910 LED13.1 1409.74,1923 1388,1923 1305,2006 v1(1305,2240)
  Bottom Layer w6: v2(117,1630) 300,1447 350,1447 515,1282 588,1282 ; v2(579,1305) 581.68,1302.32 581.68,1288.32 588,1282 ; R6.1 705,1567.59 788.04,1567.59 ; v2(800,2395) 800,2338.67 828.84,2309.83 953.83,2309.83 974,2330 1090,2330 1180,2240 v1(1305,2240) ; v2(841,1533) 806.41,1567.59 788.04,1567.59 ; 588,1282 876,1282 928,1334 928,1406 842,1492 842,1513.63 831.81,1523.81 788.04,1567.59
NetLED10_2: LED10.2 LED11.2 LED12.2 LED13.2 Q3.3 | length 4431.7
  Top Layer w6: v2(52,2096) 52,1963 60,1955 85.26,1955 LED11.2 ; v2(465,1421) 533,1353 533,1304 567,1270 738,1270 773,1305 LED12.2 780,1345 v2(745,1380) ; v2(538.26,2511) 657,2629.74 LED10.2 ; v2(1405,2494) 1405,2048 1409.74,2043.26 LED13.2
  Bottom Layer w6: v2(465,1421) 416,1421 104,1733 104,2044 v2(52,2096) 77.37,2121.37 148.63,2121.37 247,2219.74 ; v2(538.26,2511) 247,2219.74 ; v2(745,1380) Q3.3 ; v2(1405,2494) 1251,2494 1198,2547 418,2547 247,2376 247,2219.74
NetLED14_1: LED14.1 LED15.1 LED16.1 LED17.1 R8.1 | length 3562.5
  Top Layer w6: v2(2635,2220) 2635,2033 2600,1998 LED14.1 2600,1675 2595,1675 2595,1670 2586.39,1661.39 2586.39,1597.79 2642.31,1541.87 2728.28,1541.87 2757.01,1513.15 2757.01,1427.99 v2(2810,1375) ; LED17.1 2885,2552.28 2886.74,2549.74 2928.43,2508.05 v2(2928.84,2508.05) ; v2(2980,1535) 2980,1487.34 3058.1,1409.24 3099.19,1409.24 3123.43,1385 3491.84,1385 LED15.1 ; LED15.1@3499.56,1382.72 3503.28,1386.44 v2(3607.72,1386.44) ; v2(3777.28,1757.28) LED16.1
  Bottom Layer w6: v2(2635,2220) 2665,2220 2893,2450.47 2928.84,2486.31 v2(2928.84,2508.05) ; v2(2810,1375) 2829.57,1375 2948.59,1494.03 2948.59,1537.59 R8.1 2949.41,1565.59 v2(2980,1535) ; v2(3607.72,1386.44) 3675.87,1464.59 3675.87,1745.87 3687.28,1757.28 v2(3777.28,1757.28)
NetLED14_2: LED14.2 LED15.2 LED16.2 LED17.2 Q5.3 | length 4102.6
  Top Layer w6: LED14.2 2640.66,1620.66 2640.66,2000 2660,2014.34 v2(2660,2260) ; LED17.2 2832.72,2517.28 2858.26,2491.74 v2(2880,2491.74) ; v2(3407,1432) 3466.39,1432 3479.39,1445 3532.91,1445 LED15.2 ; v2(3508,1518) v2(3622,1632) ; LED16.2 3779.81,2325.19 3819,2286 v2(3819,1829)
  Bottom Layer w6: v2(2660,2260) 2880,2480 v2(2880,2491.74) 2947.97,2559.71 3054.62,2559.71 3114.91,2620 Q5.3 3180,2501.25 3196,2485.25 3645.14,2485.25 3706,2424.39 3706,2040 3786,1960 3786,1862 v2(3819,1829) 3694,1829 3622,1757 v2(3622,1632) ; v2(3407,1432) 3437,1462 3437,1509 3446,1518 v2(3508,1518)
NetLED18_1: LED18.1 LED19.1 LED20.1 LED21.1 R9.1 | length 3814.1
  Top Layer w6: v2(2551,2383) 2548,2383 2530,2365 LED21.1 2530,2008 2508,2008 2499,1999 2499,1570 2570.02,1498.98 2716.02,1498.98 v2(2718.01,1496.99) ; v2(2973.84,1607.8) 2973.84,1561.37 2957,1544.53 2957,1487.72 3051.47,1393.24 3087.56,1393.24 3133,1347.8 3133,1319.76 3147.5,1305.26 LED19.1 ; v2(3223,2672.62) 3223,2625 LED20.1 3410,2625 3440,2595 3532.63,2595 3836,2291.63 3836,2219 3881,2174 3881,1988.26 3849.74,1957 LED18.1
  Bottom Layer w6: v2(2551,2383) 2654,2486 2789.5,2486 2905,2601.5 2987.12,2601.5 3058.25,2672.62 v2(3223,2672.62) ; v2(2718.01,1496.99) 2718.01,1498.01 R9.1 2785.59,1568.12 2850.47,1633 2922,1633 2947.2,1607.8 v2(2973.84,1607.8)
NetLED18_2: LED18.2 LED19.2 LED20.2 LED21.2 Q6.3 | length 4886.3
  Top Layer w6: LED21.2 2530,1943 2556,1943 2568,1955 2568,2327 2636,2395 3212,2395 3232,2375 3232,2199 3416,2015 3615,2015 3645,2045 3645,2077 3562,2160 3562,2300 v2@3353,2509 ; LED20.2 3168,2625 3168,2582 3212,2538 3324,2538 v2@3353,2509 ; LED19.2 3225.26,1305 v2(3305,1305) ; v2(3350,2510) 3352,2510 v2@3353,2509 ; v2(3410,1350) 3415,1345 v2(3525,1345) ; v2(3847.37,2067.63) 3849.74,2065.26 LED18.2
  Bottom Layer w6: v2(3305,1305) 3305,1340.81 3341.56,1377.37 3382.63,1377.37 v2(3410,1350) ; v2(3350,2510) 3656,2510 3780,2386 3780,2260 3847.37,2192.63 v2(3847.37,2067.63) 3824.92,2067.63 3800,2042.71 Q6.3 3800,1968.63 3810,1958.63 3810,1888 3842,1856 3842,1805 3826,1789 3689,1789 3652,1757 3652,1500.96 3525,1373.96 v2(3525,1345)
NetLED22_2: LED22.2 LED23.2 Q1.3 | length 1229
  Top Layer w6: v2(160,2220) 160,2271.83 LED23.2 ; v2(874,2607) 928.72,2552.28 LED22.2
  Bottom Layer w6: v2(160,2220) 160,2368 369,2577 732,2577 Q1.3 755,2607 v2(874,2607)
NetLED24_2: LED24.2 LED25.2 Q4.3 | length 1468.1
  Top Layer w6: LED24.2 2607.46,2032.46 2584,2009 2584,1932 2570.39,1918.39 v2(2570.39,1893) 2570.39,1704.95 2559.34,1693.91 2559.34,1563.66 2603,1520 2727.53,1520 2741.01,1506.52 2741.01,1410.55 2799.55,1352 2876,1352 2884,1360 2884,1382.72 LED25.2
  Bottom Layer w6: v2(2570.39,1893) 2530.15,1893 2512.16,1910.99 2512.16,1969.01 2544.15,2001 2572.4,2001 Q4.3
NetLED26_2: end.2 R13.1 | length 606
  Top Layer w6: v3(3095,1735) 3220,1735 v3(3465.26,1489.74)
  Bottom Layer w6: v3(3095,1735) R13.1 ; end.2 v3(3465.26,1489.74)
NetLED27_2: ing.2 R12.2 | length 481.3
  Bottom Layer w6: ing.2 2960.26,1475.26 3170,1685 R12.2
NetLED28_2: LED28.2 R14.2 | length 55
  Top Layer w6: R14.2@1850,1730.59 1850.59,1730 LED28.2
NetQ1_1: Q1.1 R15.1 | length 640.3
  Bottom Layer w6: Q1.1 1199.41,2510 R15.1
NetQ2_1: Q2.1 R16.1 | length 1351.6
  Top Layer w6: v2(280,1925) 656.13,1924.98 673.38,1942.22 917.22,1942.22 1099.04,2124.04 v2(1099.04,2218.81)
  Bottom Layer w6: Q2.1 v2(280,1925) ; v2(1099.04,2218.81) 1100.85,2217 1336.4,2217 R16.1
NetQ3_1: Q3.1 R18.1 | length 1157.9
  Top Layer w6: v1(755.53,1505) 755,1505 755,1535 795.08,1575.08 795.08,1720.08 v2(1220,2145)
  Bottom Layer w6: v1(755.53,1505) 780.52,1480.01 Q3.1 ; v2(1220,2145) R18.1
NetQ4_1: Q4.1 R17.1 | length 106.2
  Bottom Layer w6: R17.1 2609.8,1889.21 Q4.1
NetQ5_1: Q5.1 R19.1 | length 1724.5
  Top Layer w6: v2(2473,1705) v2(2473,2305)
  Bottom Layer w6: v2(2473,1705) 2525.6,1705 R19.1 ; v2(2473,2305) 2495,2327 2661.29,2327 2910,2575.71 3009.08,2575.71 3090,2656.62 3203,2656.62 3217.4,2642.22 Q5.1
NetQ6_1: Q6.1 R20.1 | length 1526.7
  Top Layer w6: v2(2670,1720) 2680,1720 2741,1781 3628,1781 3684,1725 v2(3700,1725) v2@3706.27,1725
  Bottom Layer w6: R20.1 2640.6,1720 v2(2670,1720) ; v2(3700,1725) 3784.63,1725 3858,1798.37 3858,1867.4 3837.4,1888 Q6.1
NetR1_2: R1.2 U1.44 | length 158.2
  Top Layer w6: R1.2 1809.42,1765 1855.55,1765 1873.75,1783.19 1873.75,1819.77 U1.44
NetR3_2: R3.2 U1.2 | length 211.8
  Top Layer w6: U1.2 2005.23,1890.64 2041.81,1890.64 2062.51,1869.93 2062.51,1837.51 2025,1800 R3.2
NetSW2_1: SW2.1 SW2.4 U1.35 | length 764.1
  Top Layer w6: SW2.1 SW2.4 1622.61,1497.33 1622.61,1865.05 1648.19,1890.64 1684.77,1890.64 U1.35
NetSW3_1: SW3.1 SW3.4 U1.36 | length 1332
  Top Layer w6: U1.36 1685.55,1524.45 1723.48,1486.52 2214.2,1486.52 2252.13,1448.58 SW3.1 SW3.4
PA15: JP3.2 U1.38 | length 989.9
  Top Layer w6: U1.38 1756.42,1993.94 v1(1802.38,2040)
  Bottom Layer w6: v1(1802.38,2040) 1800,2040 1835,2075 2120,2355 JP3.2
PB3: JP3.3 U1.39 | length 916.6
  Top Layer w6: U1.39 1776.1,1978.63 1837.29,2039.82 v1(1837.29,2040)
  Bottom Layer w6: v1(1837.29,2040) 2052.29,2255 JP3.3
PB4: JP3.4 U1.40 | length 849.3
  Top Layer w6: U1.40 1795.79,1968.31 1837.47,2010 v1(1840,2010)
  Bottom Layer w6: v1(1840,2010) 1985,2155 JP3.4
PB5: JP3.5 U1.41 | length 780.7
  Top Layer w6: U1.41 1815.47,1955.32 1840,1979.84 v1(1840,1980)
  Bottom Layer w6: v1(1840,1980) 2345,1980 JP3.5
PB6: JP3.6 U1.42 | length 710.7
  Top Layer w6: U1.42 1835,1940 v1(1845,1950)
  Bottom Layer w6: v1(1845,1950) 1847.5,1952.5 2417.5,1952.5 JP3.6
PB7: JP3.7 R17.2 U1.43 | length 790
  Top Layer w6: U1.43 1854.84,1914.84 v1(1860,1920)
  Bottom Layer w6: v1(1860,1920) 2355,1920 JP3.7 2470,1855 2475,1850 R17.2
PB8: JP3.8 R19.2 U1.45 | length 781.5
  Top Layer w6: v1(1885,1890) 1885,1886.21 1894.21,1877 U1.45
  Bottom Layer w6: v1(1885,1890) 1888.79,1890 1896.79,1898 2277,1898 JP3.8 JP3.8@2409,1754 ; JP3.8@2420.41,1754 R19.2@2520,1750
PB9: JP3.9 R20.2 U1.46 | length 744.4
  Top Layer w6: U1.46 1914.68,1821.33 1914.68,1867.62 v1(1917.21,1870.16)
  Bottom Layer w6: v1(1917.21,1870.16) 2020.3,1767.07 2307.93,1767.07 JP3.9 2514.41,1655 R20.2
PB13: JP2.2 R15.2 U1.26 | length 470.8
  Top Layer w6: JP2.2 1600,2265 1600,2117.55 1648.19,2069.36 1684.77,2069.36 U1.26
  Bottom Layer w6: R15.2 JP2.2
PB14: JP2.3 R16.2 U1.27 | length 392.2
  Top Layer w6: JP2.3 1584,2181 1584,2110.93 1645.25,2049.68 1684.77,2049.68 U1.27
  Bottom Layer w6: R16.2 JP2.3
PB15: JP2.4 R18.2 U1.28 | length 317.9
  Top Layer w6: JP2.4 1635.79,2029.21 U1.28
  Bottom Layer w6: R18.2 JP2.4
SPI1_MISI: JP1.6 U1.17 | length 804.8
  Top Layer w6: U1.17 1874.53,2389.53 1964.97,2479.97 1964.97,2794.04 2015.08,2844.15 2015.08,2881.22 JP1.6
SPI1_MISO: JP1.7 U1.16 | length 738.1
  Top Layer w6: U1.16 1894.21,2357.91 2064.97,2528.66 2064.97,2669.66 2118.5,2723.19 JP1.7
SPI1_SCK: JP1.5 U1.15 | length 948.3
  Top Layer w6: U1.15 1913.9,2283.9 2164.97,2534.97 2164.97,2811.52 2147.34,2829.14 2063,2829.14 JP1.5
SWCLK: SWD.3 U1.37 | length 641.5
  Top Layer w6: U1.37 1736.73,1791.02 1706.72,1761.01 1706.72,1547.03 1748.74,1505 1960,1505 SWD.3
SWIO: SWD.2 U1.34 | length 471.5
  Top Layer w6: U1.34 v2(1733.42,1911.1)
  Bottom Layer w6: v2(1733.42,1911.1) 1733.9,1911.1 1920,1725 SWD.2
USART1_CK: JP2.5 U1.29 | length 180.2
  Top Layer w6: JP2.5 1555.47,2009.53 U1.29
USART1_CTS: JP2.8 U1.32 | length 297.2
  Top Layer w6: JP2.8 1589.93,1814.93 1589.93,1894.37 1645.25,1949.69 1684.77,1949.69 U1.32
USART1_RTS: JP2.9 U1.33 | length 375.8
  Top Layer w6: JP2.9 1605.93,1730.93 1605.93,1887.74 1648.19,1930.01 1684.77,1930.01 U1.33
USART1_RX: JP2.7 U1.31 | length 235
  Top Layer w6: JP2.7 1565,1890 1565,1920 1615.16,1970.16 U1.31
USART1_TX: JP2.6 U1.30 | length 184.1
  Top Layer w6: JP2.6 1564.84,1989.84 U1.30
V3.3: C4.2 C5.2 C7.2 C13.2 JP1.2 LED1.1 OLED.2 R2.2 RI1.1 RI1.4 RI2.3 RI2.4 SWD.1 U1.1 U1.9 U1.24 U1.48 V2.3 | length 6616.7
  Top Layer w6: R2.2 2660.59,2465 3194.76,2465 RI2.4 RI2.3
  Top Layer w8: JP1.2 1813.09,2884.65 1703,2774.56 1703,2452.96 1705,2442.76 1705,2140 1736.18,2140 1736.18,2084.69 1740.87,2080 v1(1775,2080) 1855,2080 v1(1905.79,2029.21) ; U1.48@1953.49,1820.55 1953.49,1870.2 ; U1.9@1971.97,2029.21 v1(1905.79,2029.21) ; U1.1@2004.45,1871.51 1954.8,1871.51 1910.79,1915.52 v1(1905.79,2029.21)
  Top Layer w10: SWD.1 1825.36,1565 1873.82,1613.46 1921.92,1613.46 1937.76,1629.31 1937.76,1690 1970.26,1722.5 LED1.1 ; U1.48@1954.49,1844.38 1957.76,1841.11 1957.76,1742.5 LED1.1 ; LED1.1@1972.76,1747.24 1972.76,1727.5 LED1.1 ; v1(1980,1770) 1980,1739.74 LED1.1
  Top Layer w20: RI1.4 561.02,2056.93 RI1.1 1195,2335 1729.6,2884.65 JP1.2@1813.09,2884.65 ; JP1.2 1826.73,2892.87 1826.73,2941.73 1845,2960 2145.59,2960 R2.2
  Bottom Layer w6: V2.3@554.72,1973.63 561.22,1980.13 V2.3 ; C4.2 1764,2055.59 1775,2066.59 v1(1775,2080)
  Bottom Layer w8: v1(1905.79,2029.21) 1924.21,2029.21 C7.2
  Bottom Layer w10: JP1.2 1868.13,2835.02 1868.13,2707.86 OLED.2 ; C5.2 v1(1980,1770)
  Bottom Layer w20: RI1.4 496.86,2066.93 565.94,1997.84 V2.3
  Bottom Layer w50: C13.2 554.72,1895.32 V2.3@554.72,1973.63
VBAT: C10.2 L1.1 R10.2 S1.2 | length 1476.2
  Bottom Layer w10: L1.1 1064.41,1890 R10.2
  Bottom Layer w50: L1.1 925.59,1889.41 C10.2 1025,1815 1305,1535 1655,1535 1721.54,1468.46 1877.79,1468.46 1973.27,1372.99 1973.27,1351.73 S1.2
VCC: D1.1 USB1.1 | length 560.8
  Bottom Layer w6: USB1.1 3266.18,1467 3282.82,1467 3283.09,1466.73
  Bottom Layer w50: 3283.09,1466.73 3283.09,1608.09 3435.12,1760.12 D1.1
pads on no net: RI1.0 RI2.0 S1. S1.3 U1.3 U1.4 U1.25 USB1.0 USB1.2 USB1.3 USB1.4

## Polygon pours and split planes (outlines as drawn)
GND on Top Layer "GND_L01_P000" (solid, remove dead copper, pour order 0): 0,3140 3960,3140 3960,905 -5,905 -15,895
GND on Bottom Layer "GND_L02_P001" (solid, remove dead copper, pour order 1): 0,3440 3930,3440 3955,3415 3955,995 -35,995 -45,985

## Keep-outs
Keep-Out Layer:
  lines w6: 1154.37,1338.58 1152.9,1338.58 1326.49,1185 2644.49,1186.26 2798.63,1330.4 ; 1300.15,2520.15 1780,3000 2160,3000 2475,2685 2638.99,2521.01 ; 2638.99,2520.99 2638.99,2521.01
  lines w10: 1123.35,2615.56 ccw(c748.03,1968.5) 1151.44,1338.58 ; 1125.09,2616.67 ccw(c1968.5,3937.01) 1299.79,2520.15 ; 2638.99,2520.99 ccw(c1968.5,3937.01) 2808.21,2614.31 ; 2798.63,1330.4 ccw(c3188.98,1968.5) 2809.1,2612.9

## Silkscreen, mask and mechanical layers (free items; w line width, h text height)
Top Overlay:
  circle w3.94: c3188.98,1968.5 r708.66
  circle w3.94: c748.03,1968.5 r708.66
  lines w6: 748.03,1968.5 748.5,1968.5
  text "遥控手柄" at 1785,2434.07 h100
  text "廖蒙林设计" at 1740.09,2304.07 h100
  text "3V3" at 1745,1465 h30
  text "SWIO" at 1855,1465 h30
  text "CLK" at 1990,1465 h30
  text "GND" at 2100,1465 h30
  text "ON" at 1865,1200 h30
  text "OFF" at 2015,1200 h30
Bottom Overlay:
  text "GND" at 1830,2595 h30 r90
  text "3V3" at 1925,2595 h30 r90
  text "SCL" at 2030,2595 h30 r90
  text "SDA" at 2135,2595 h30 r90
  text "GND" at 2349.96,2440 h30
  text "GND" at 1674.97,2435 h30
  text "PA15" at 2349.96,2339.38 h30
  text "PB13" at 1699.97,2334.38 h30
  text "PB3" at 2349.96,2238.75 h30
  text "PB14" at 1699.97,2233.75 h30
  text "PB4" at 2349.96,2138.12 h30
  text "PB15" at 1699.97,2133.12 h30
  text "PB5" at 2349.96,2037.5 h30
  text "CLK" at 1674.97,2032.5 h30
  text "PB6" at 2349.96,1936.88 h30
  text "TX" at 1644.98,1931.88 h30
  text "PB7" at 2349.96,1836.25 h30
  text "RX" at 1644.98,1831.25 h30
  text "PB8" at 2349.96,1735.62 h30
  text "CTS" at 1674.97,1730.62 h30
  text "RTS" at 2349.96,1635 h30
  text "RTS" at 1674.97,1630 h30
  text "BAT" at 1920,1475 h30 r90
  text "GND" at 2065,1475 h30 r90
  text "GND" at 1915,1305 h30 r90
  text "BAT1" at 2065,1305 h30 r90

## Text inside footprints (layer, text, board x,y; h text height)
JP1: Bottom Overlay "8" at 2220,2875 h40; Bottom Overlay "1" at 1730,2760 h40; Bottom Overlay "2" at 1745,2880 h40; Bottom Overlay "7" at 2215,2755 h40
RI1: Top Overlay "x" at 777.03,2199.5 h118.11 r90; Top Overlay "Y" at 518.03,1938.5 h98.43 r90
RI2: Top Overlay "Y" at 3158.98,2198.5 h98.43; Top Overlay "x" at 3419.98,1939.5 h118.11